# Altium PCB AD-FMComms3_revA.PcbDoc (part 1 of 6) (continued)
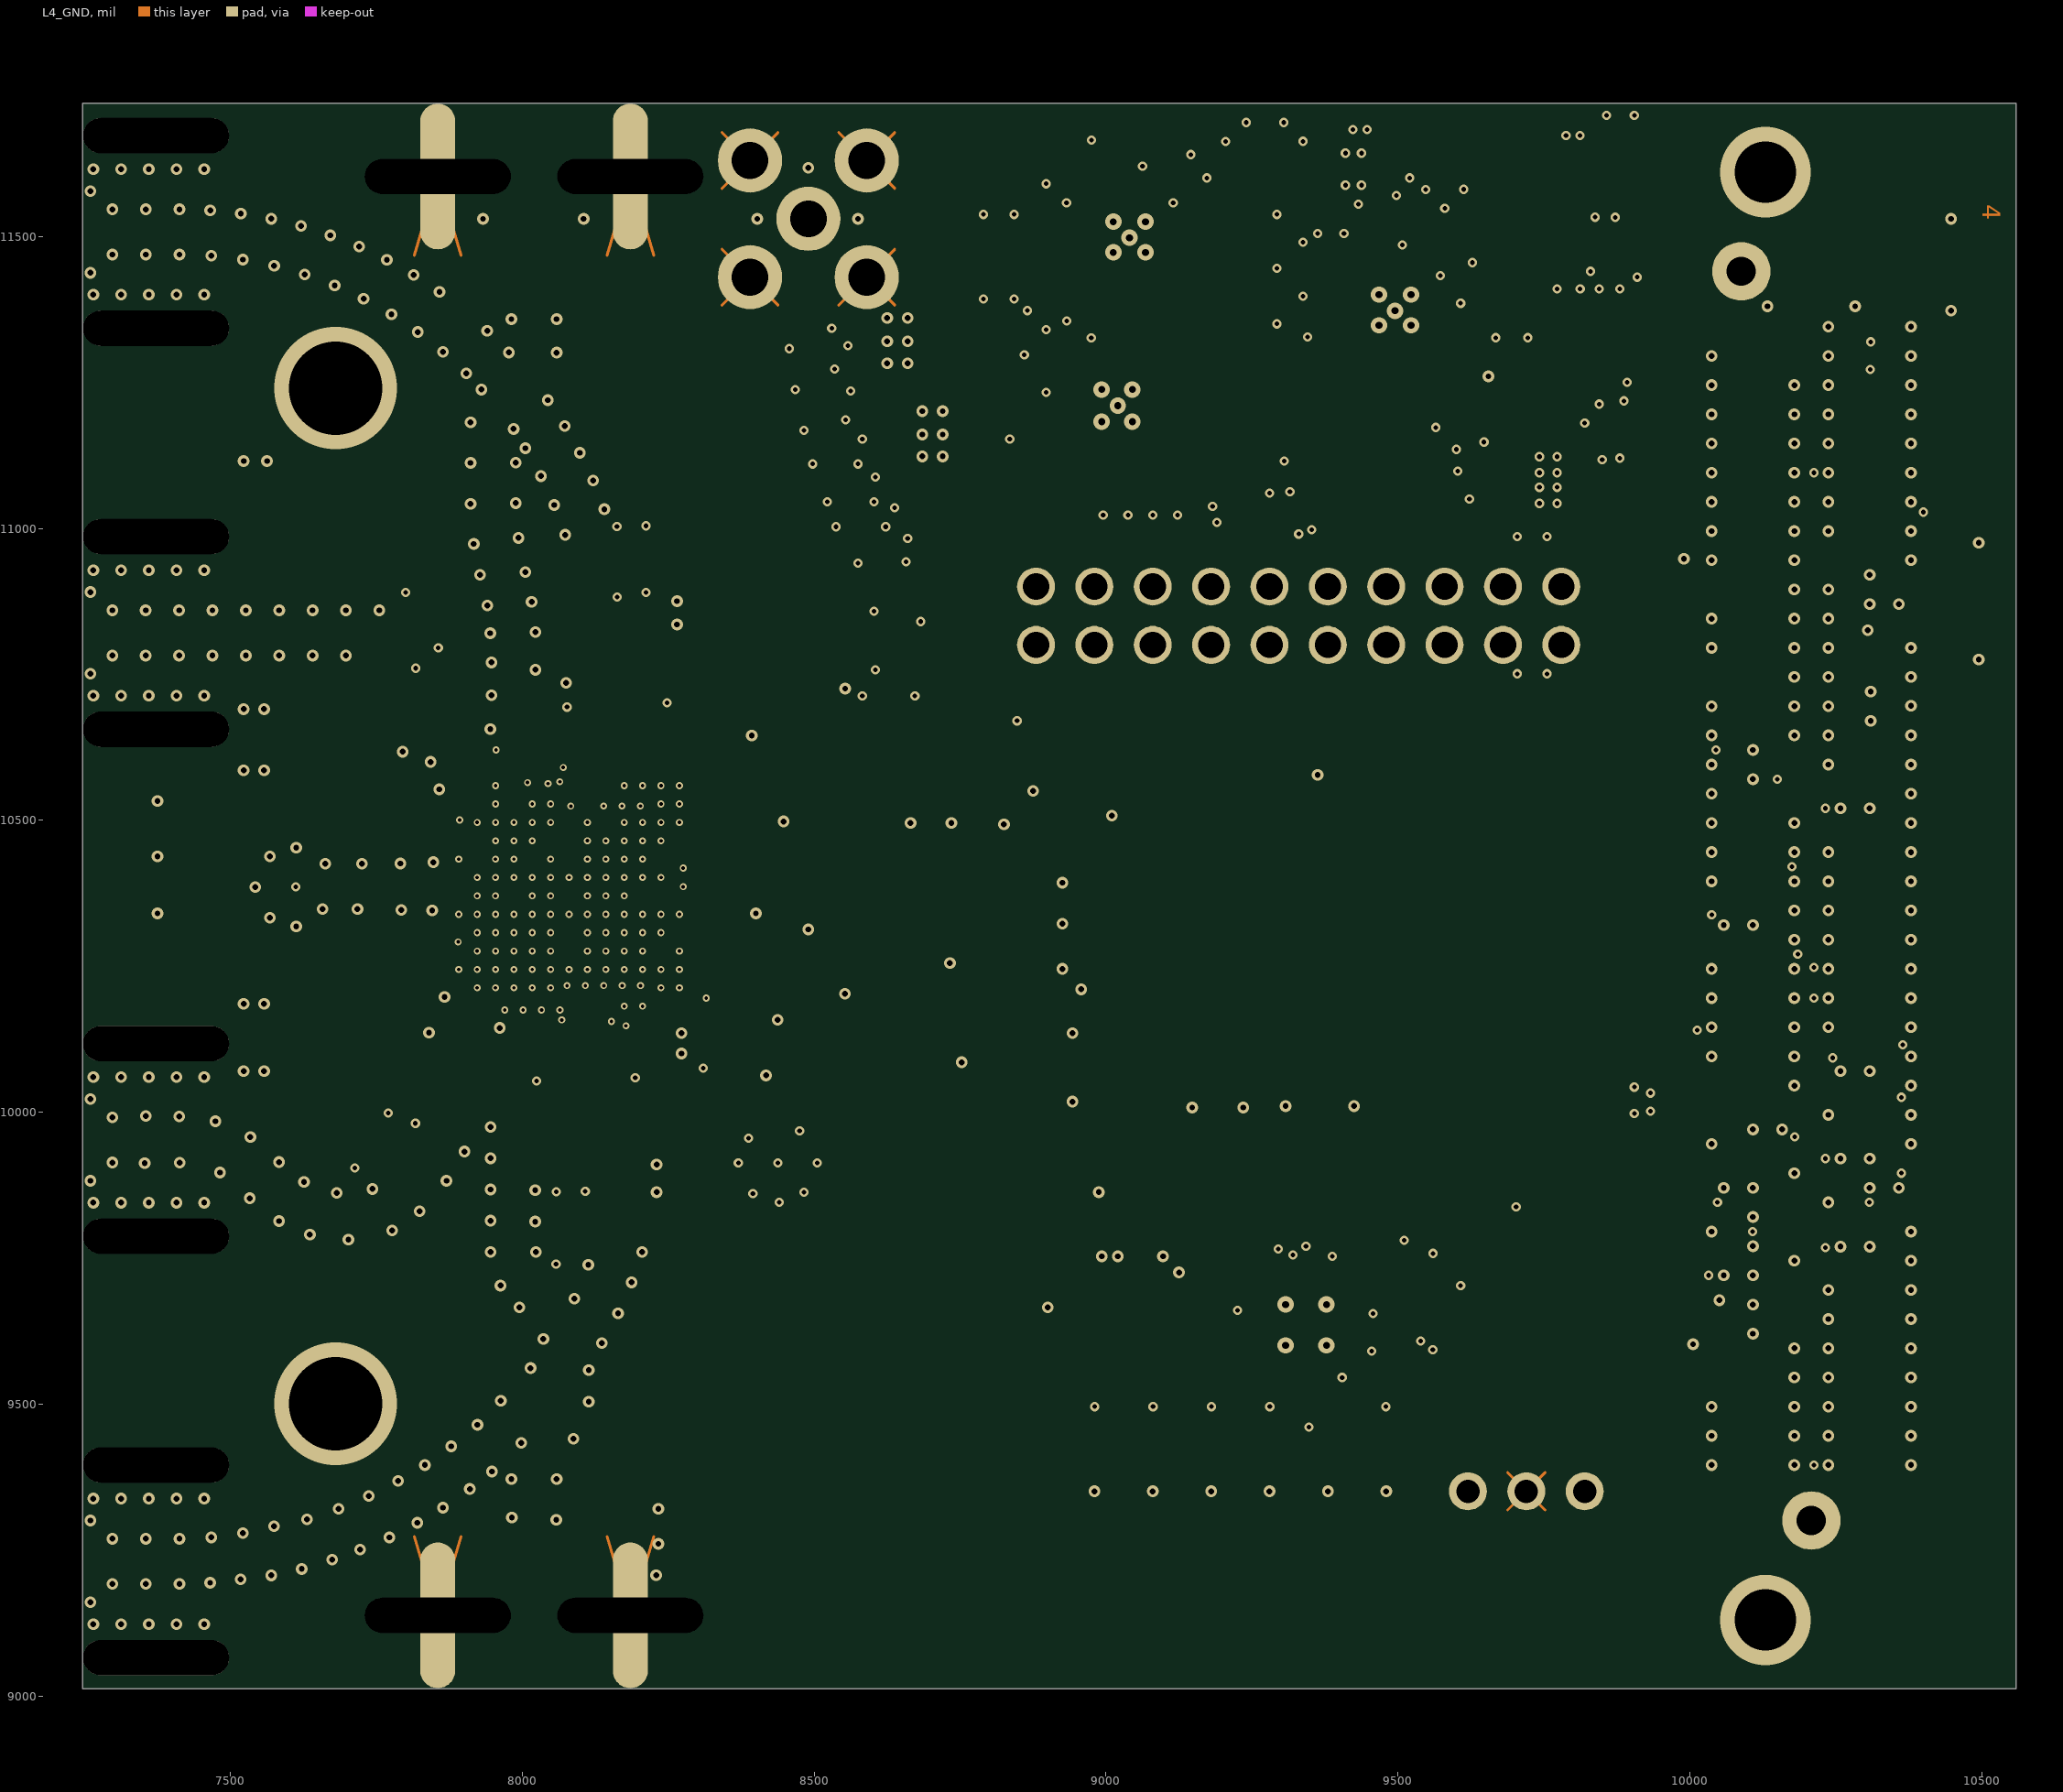
[diagram p4: L4_GND]
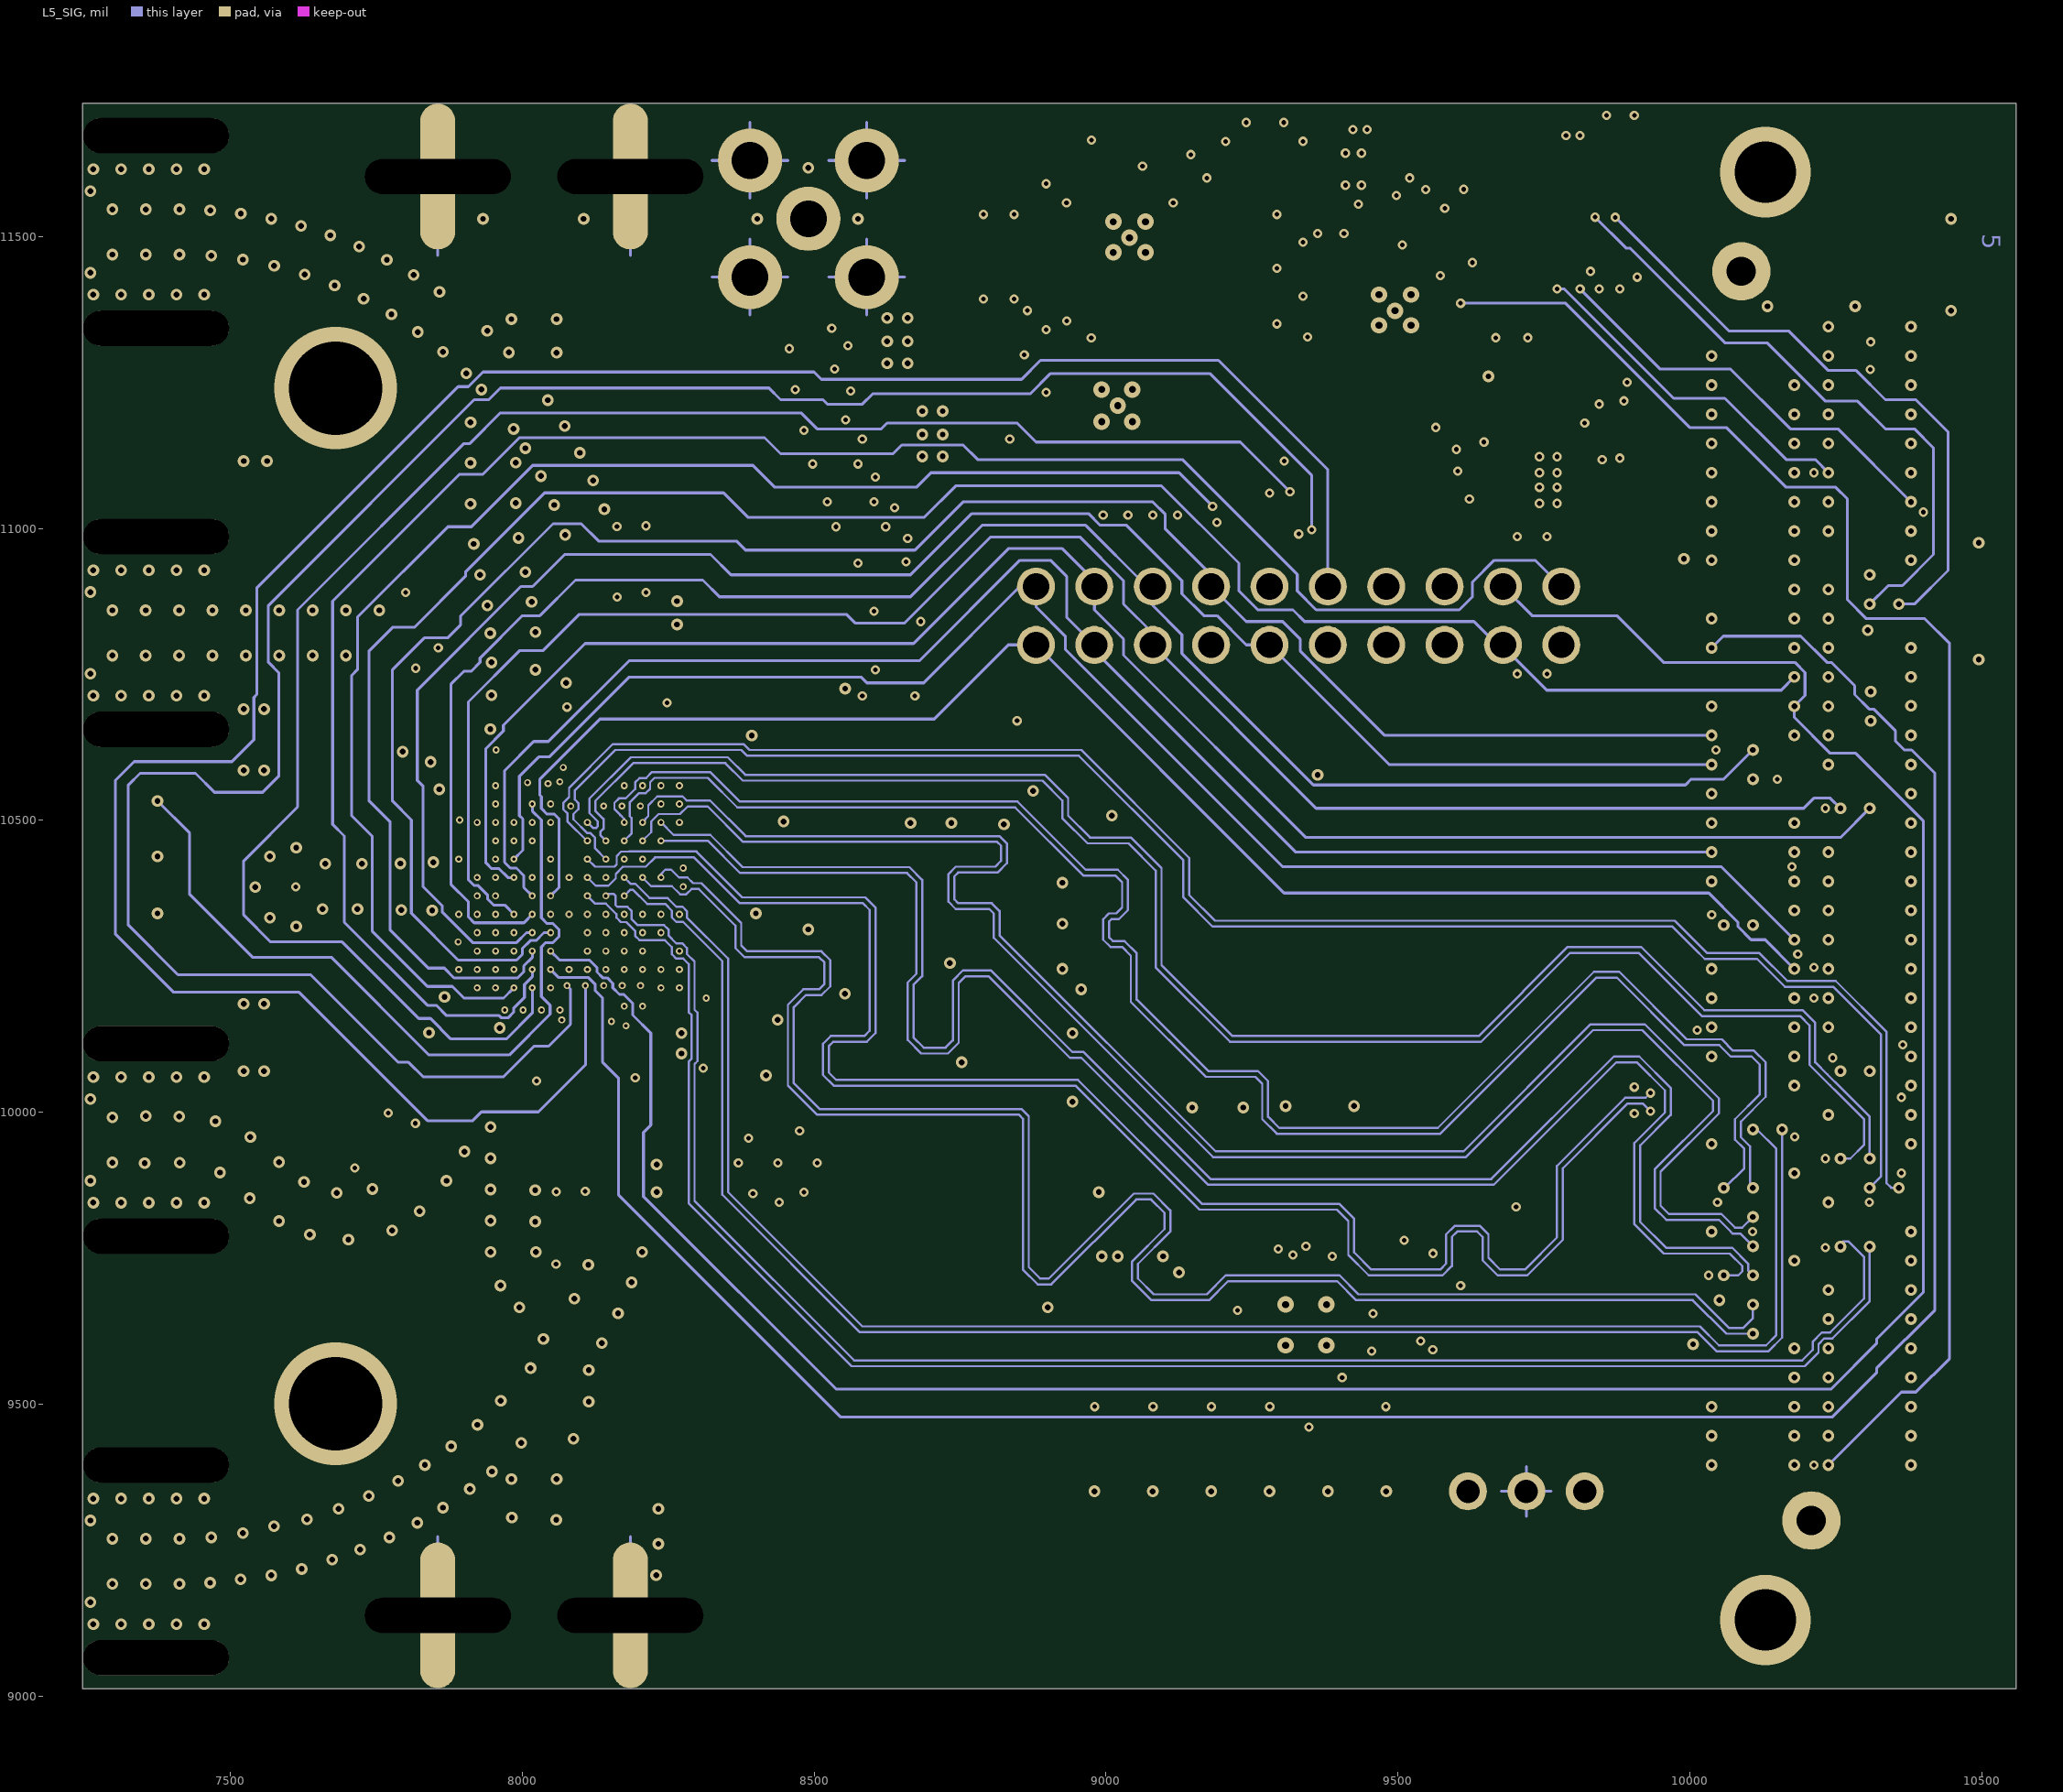
[diagram p5: L5_SIG]
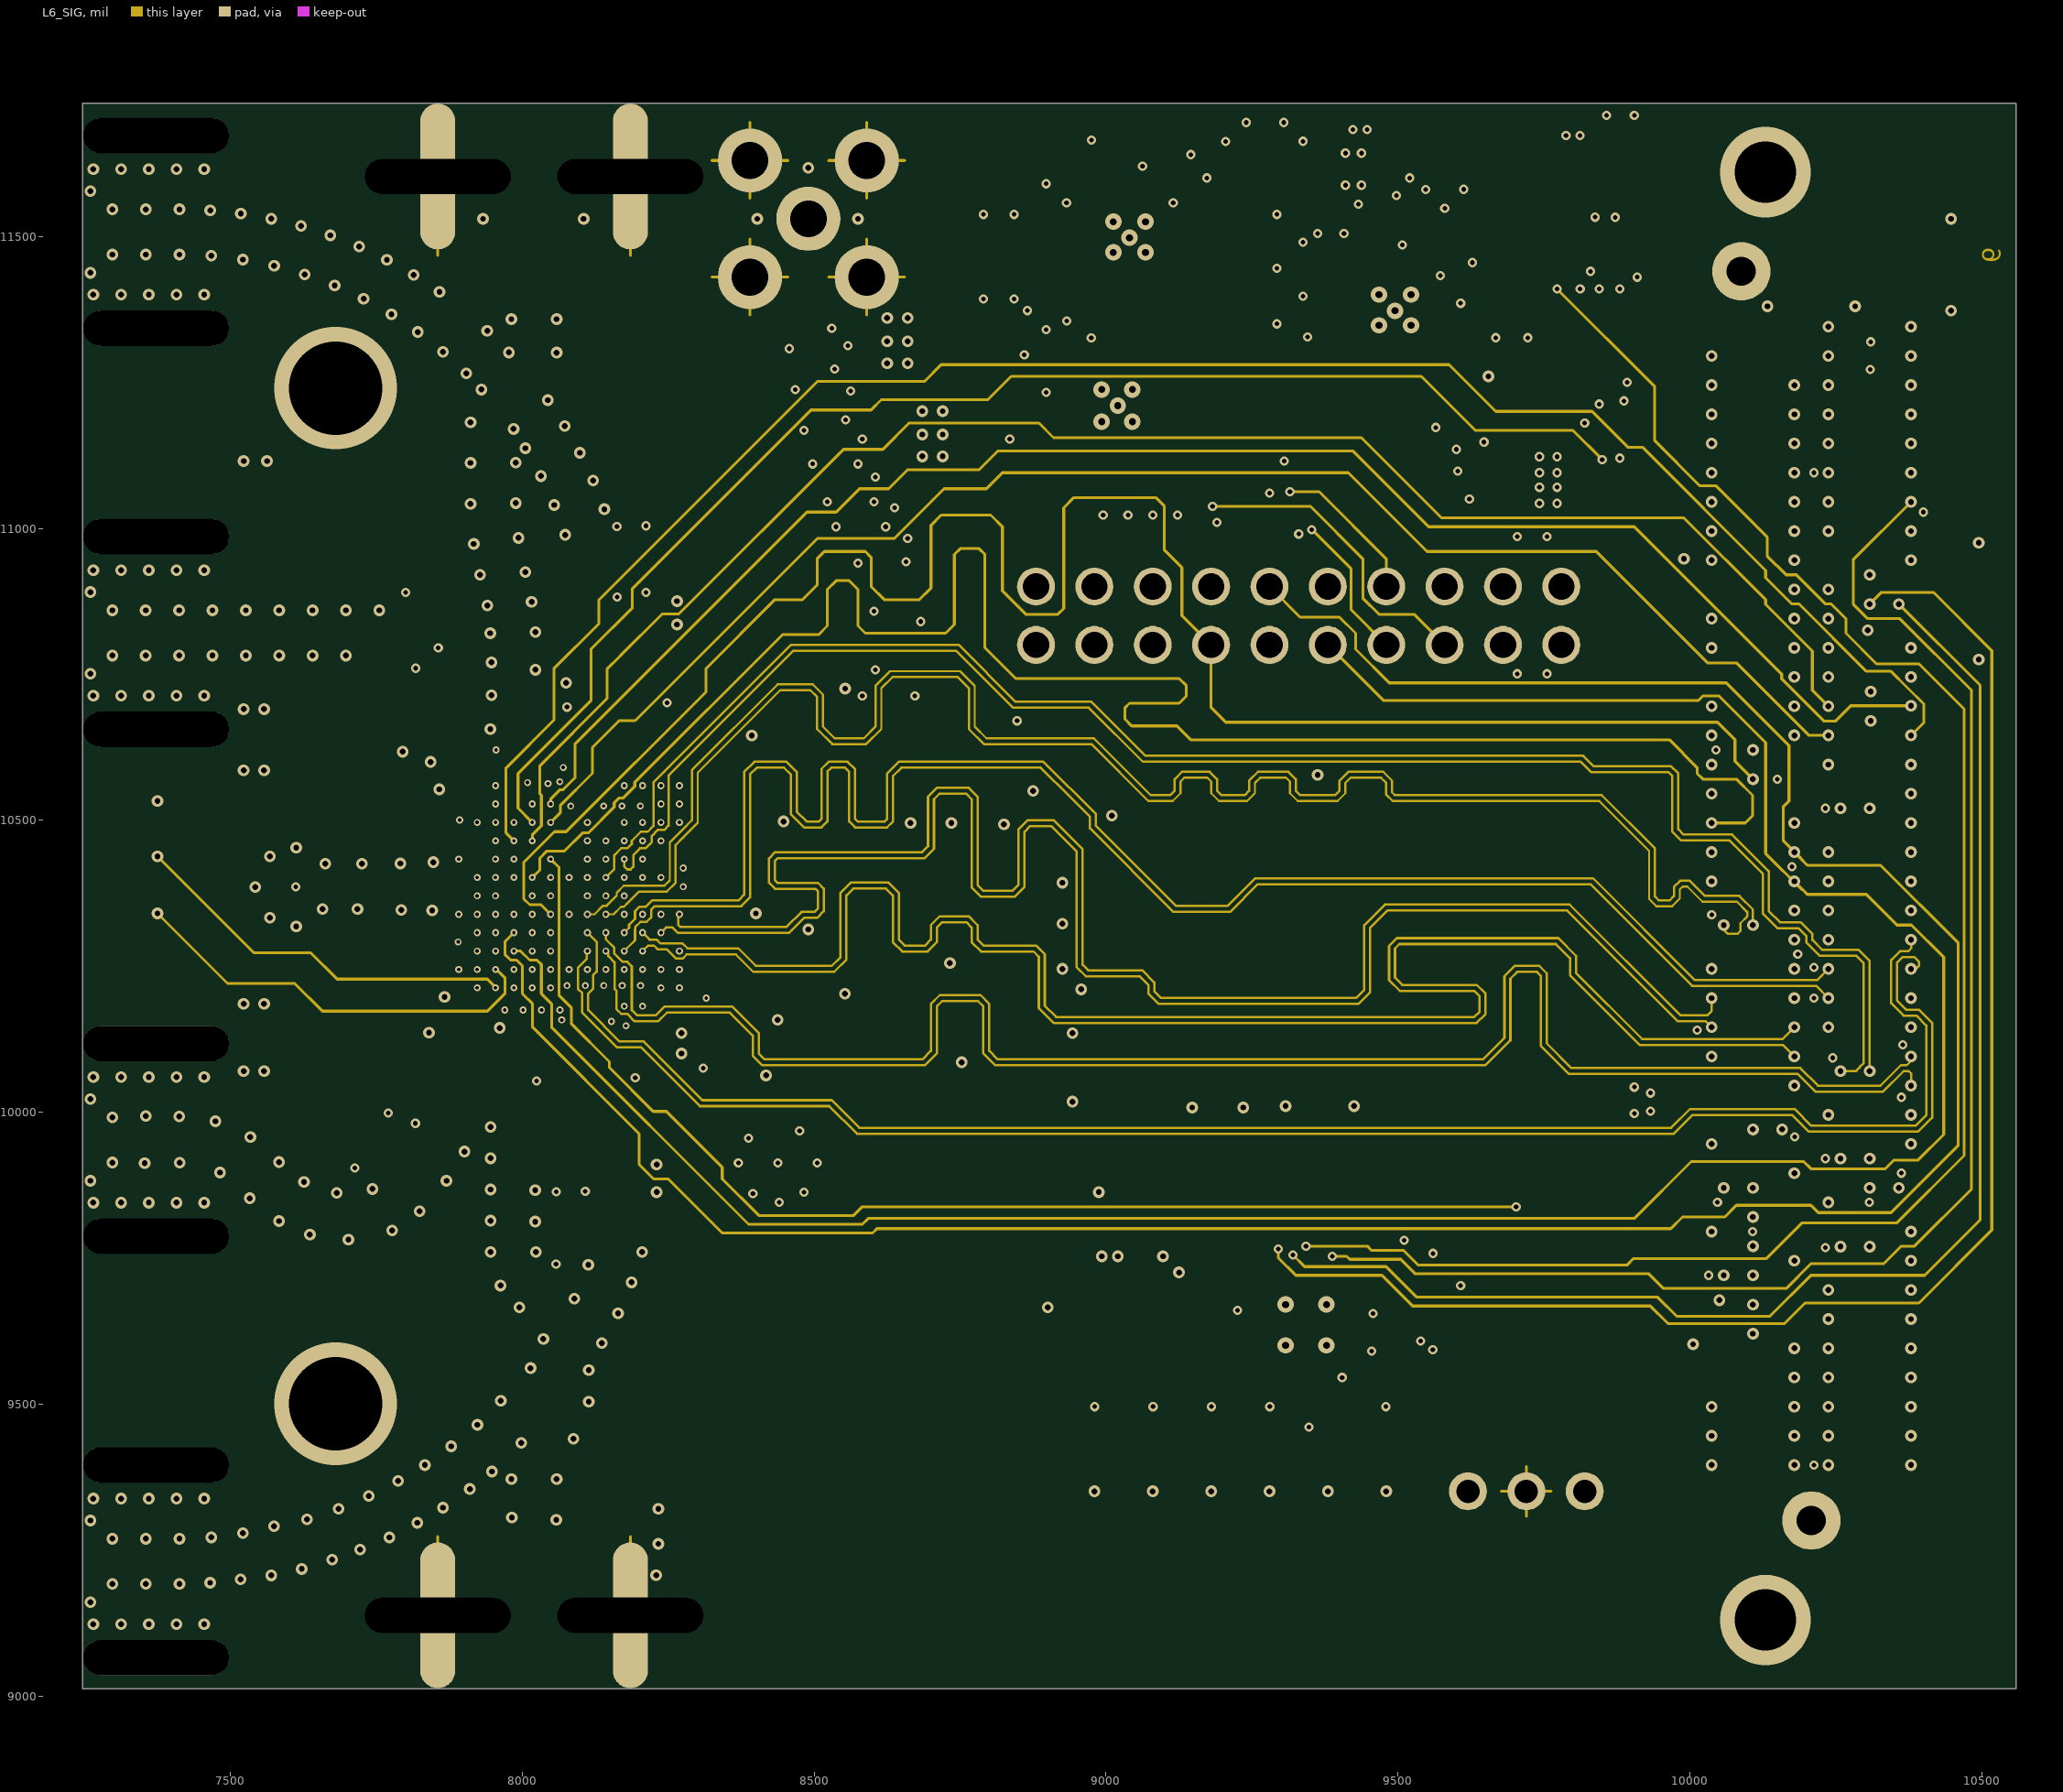
[diagram p6: L6_SIG]
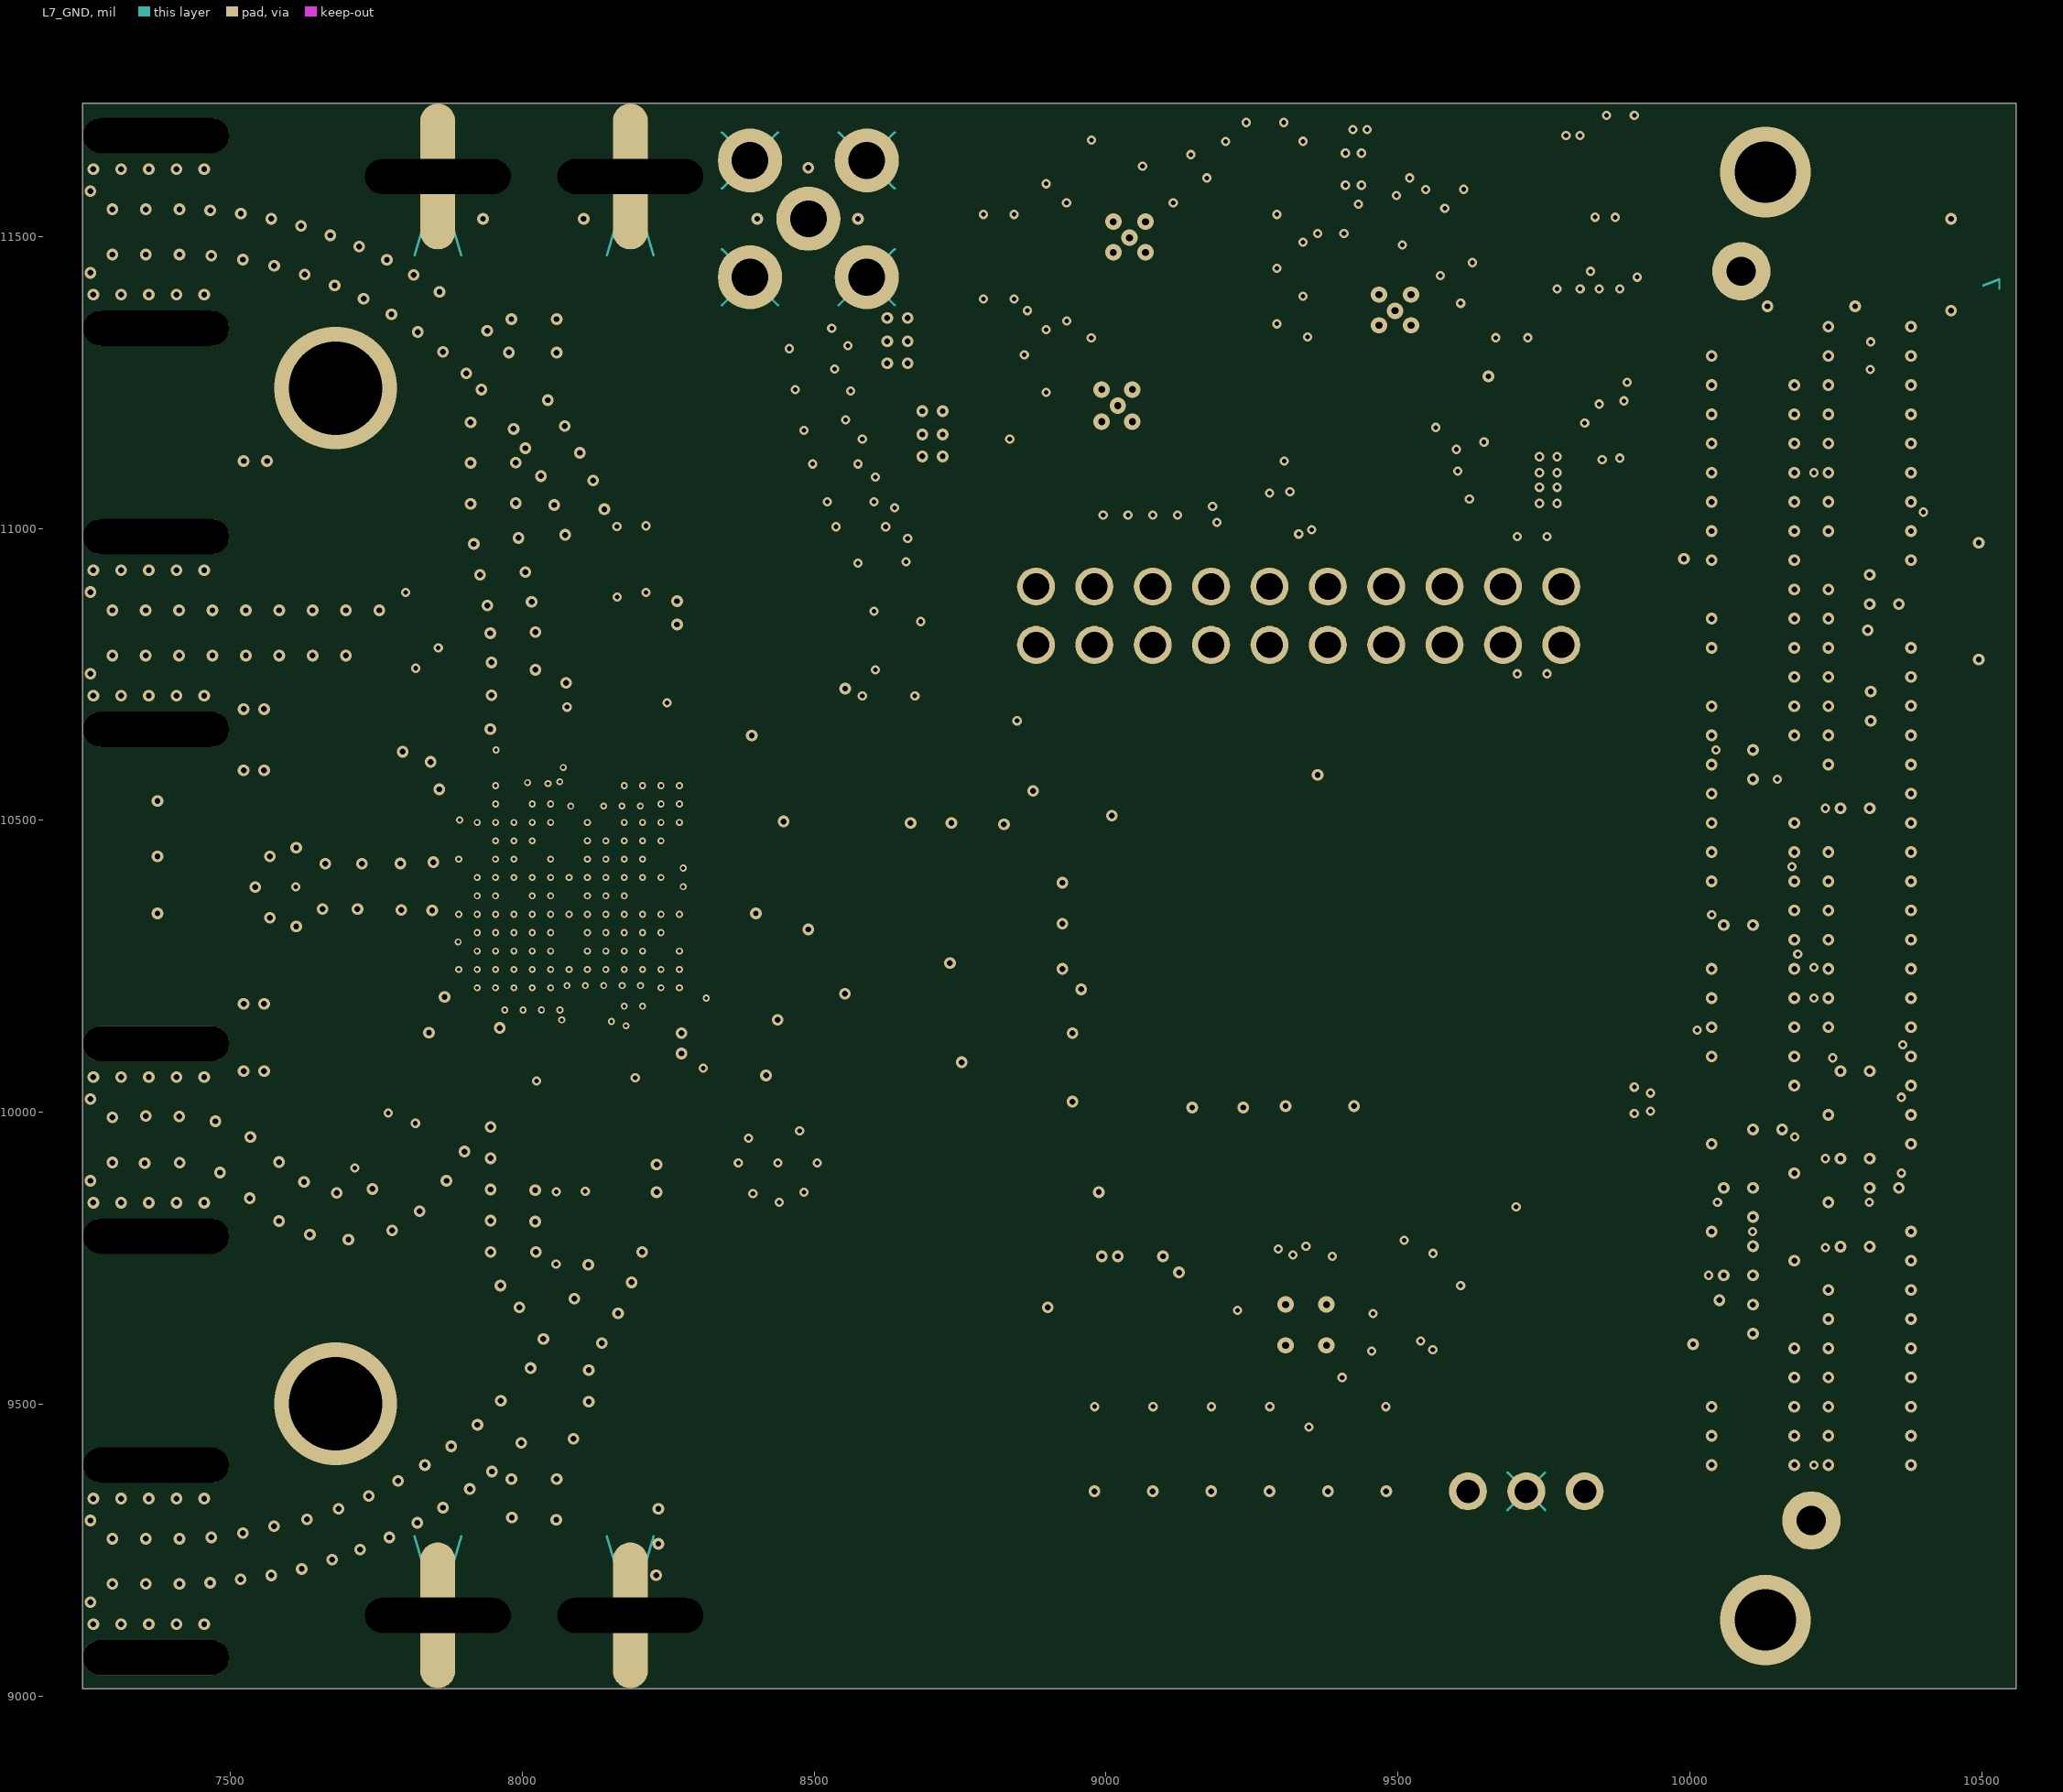
[diagram p7: L7_GND]